# Altium PCB MB1801.PcbDoc (part 1 of 4)
Units mm, origin at the board's own origin, x right, y up, seen from the top; angles counter-clockwise.
Board outline 70.1 x 57.1 mm, 4 copper layers (Top Layer, Signal Layer 1, Signal Layer 2, Bottom Layer), stack 1.614 mm thick; 219 components, 166 nets, 1002 pads, 473 vias.
Unrouted connection lines stored in the file: 2.
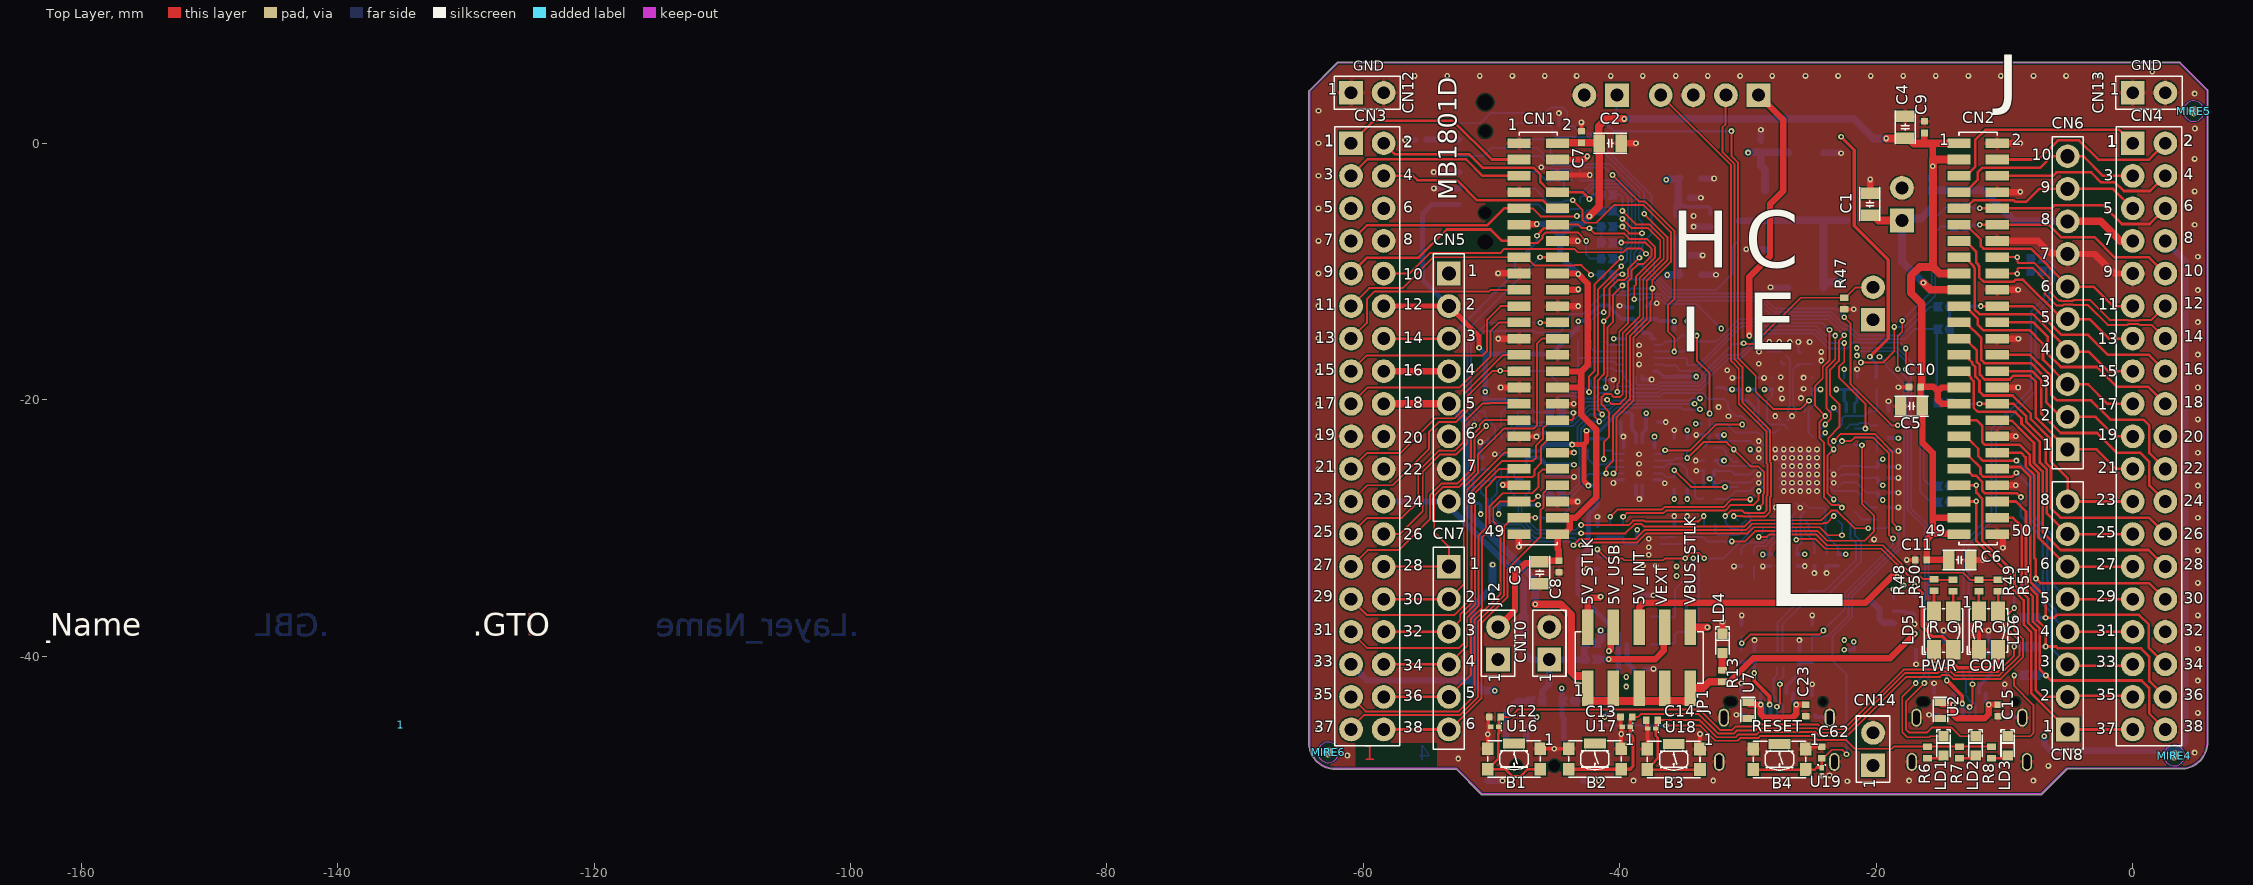
[diagram p0: Top Layer view]
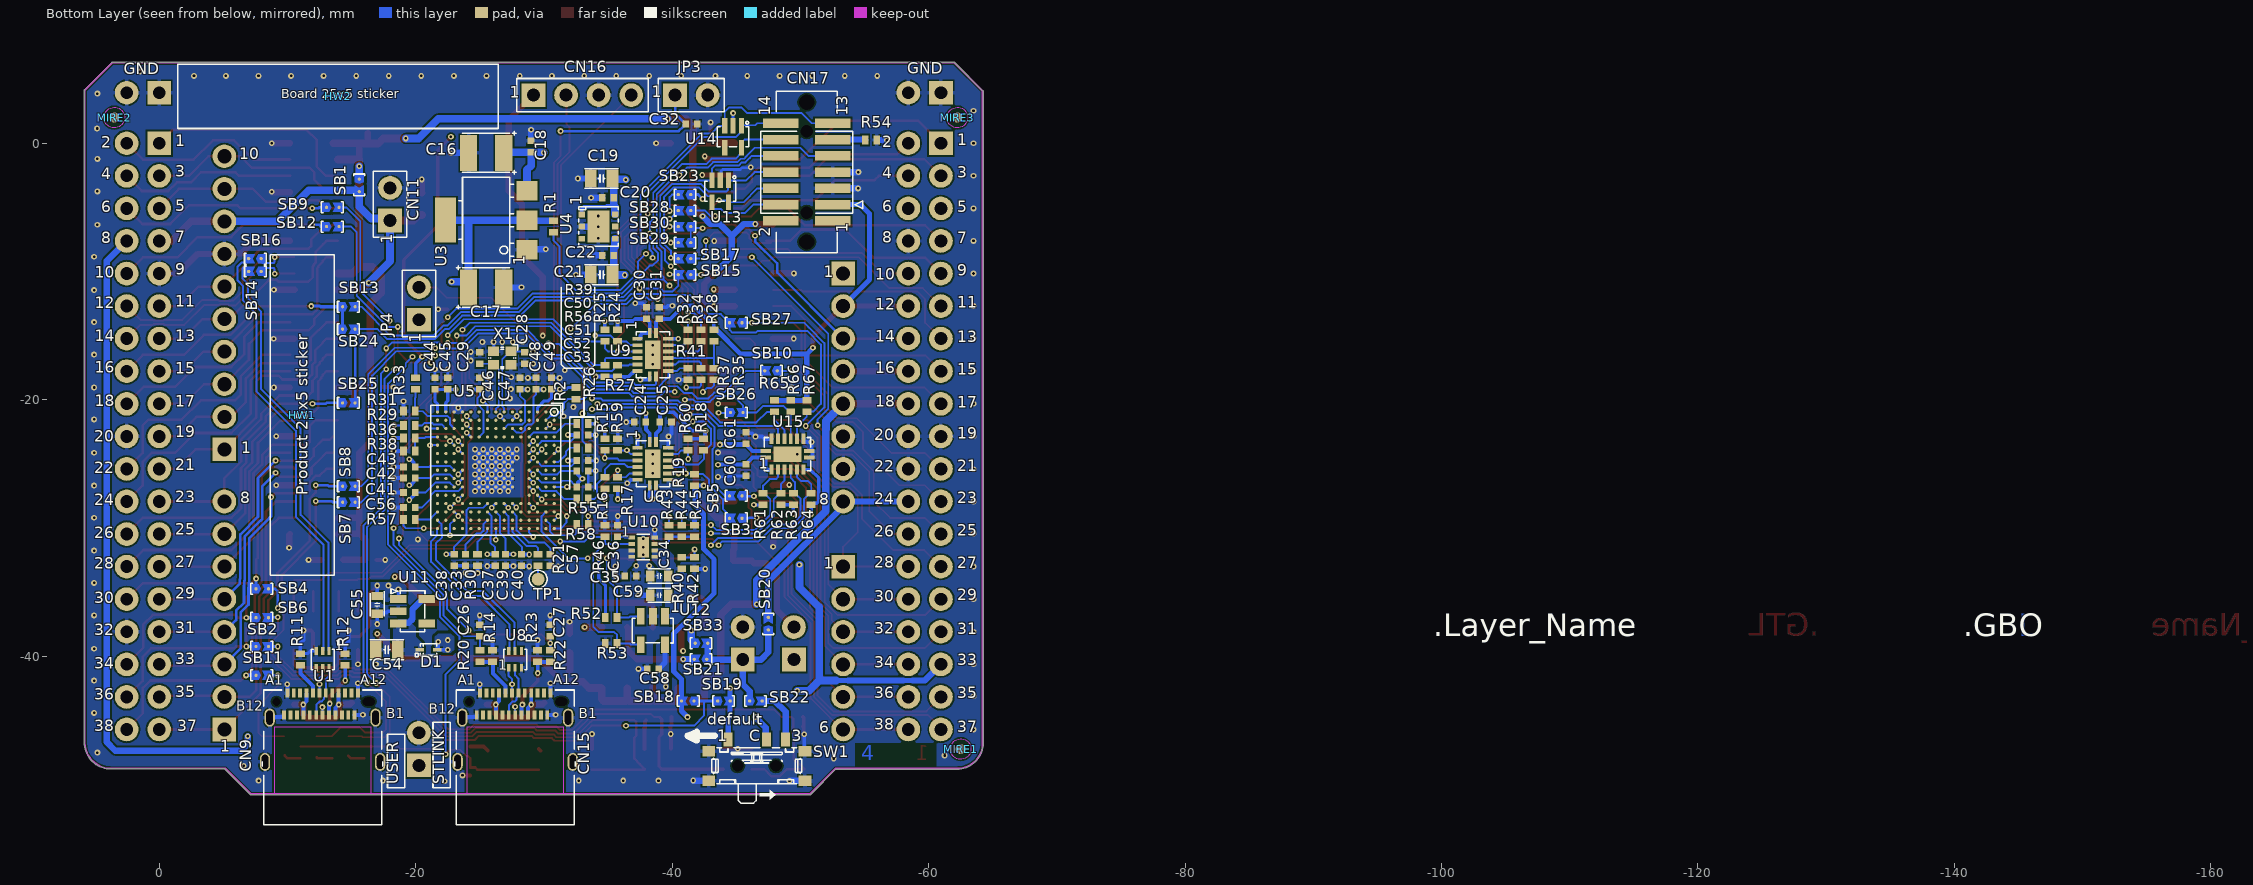
[diagram p1: Bottom Layer view, seen from below]
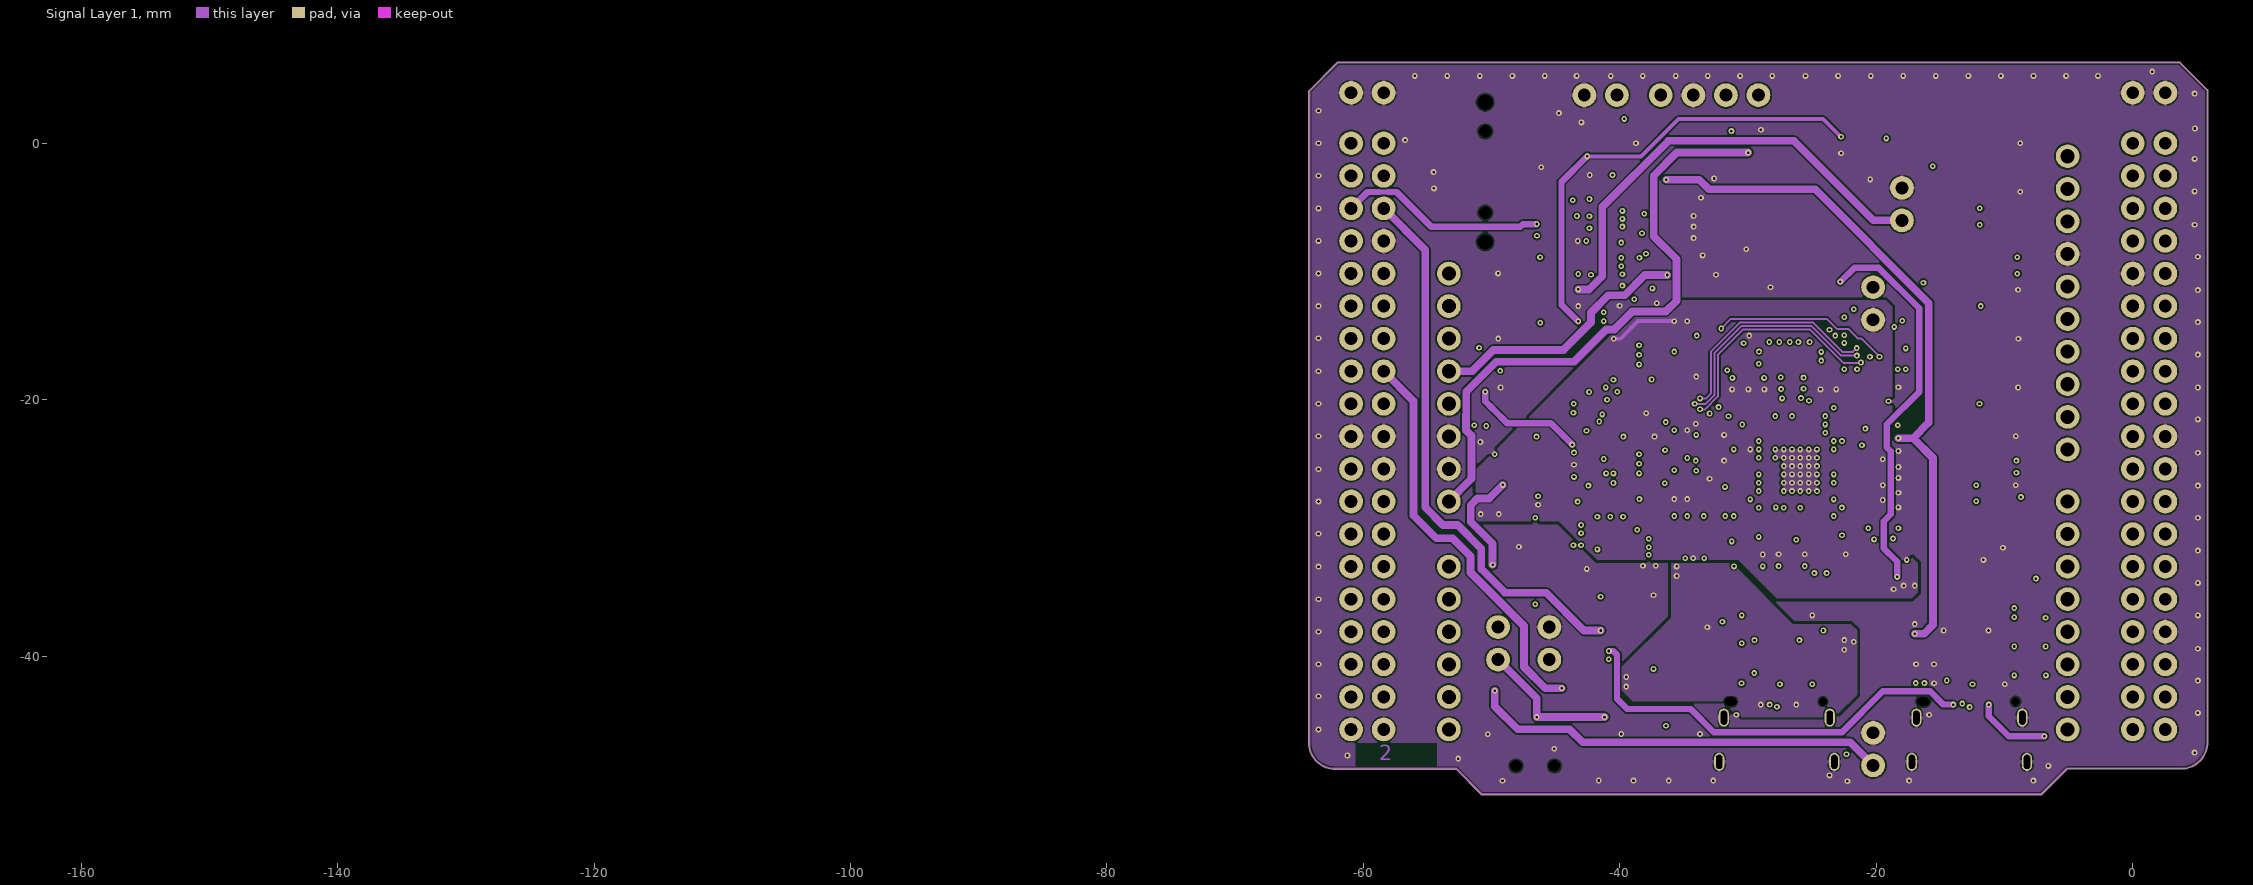
[diagram p2: Signal Layer 1]
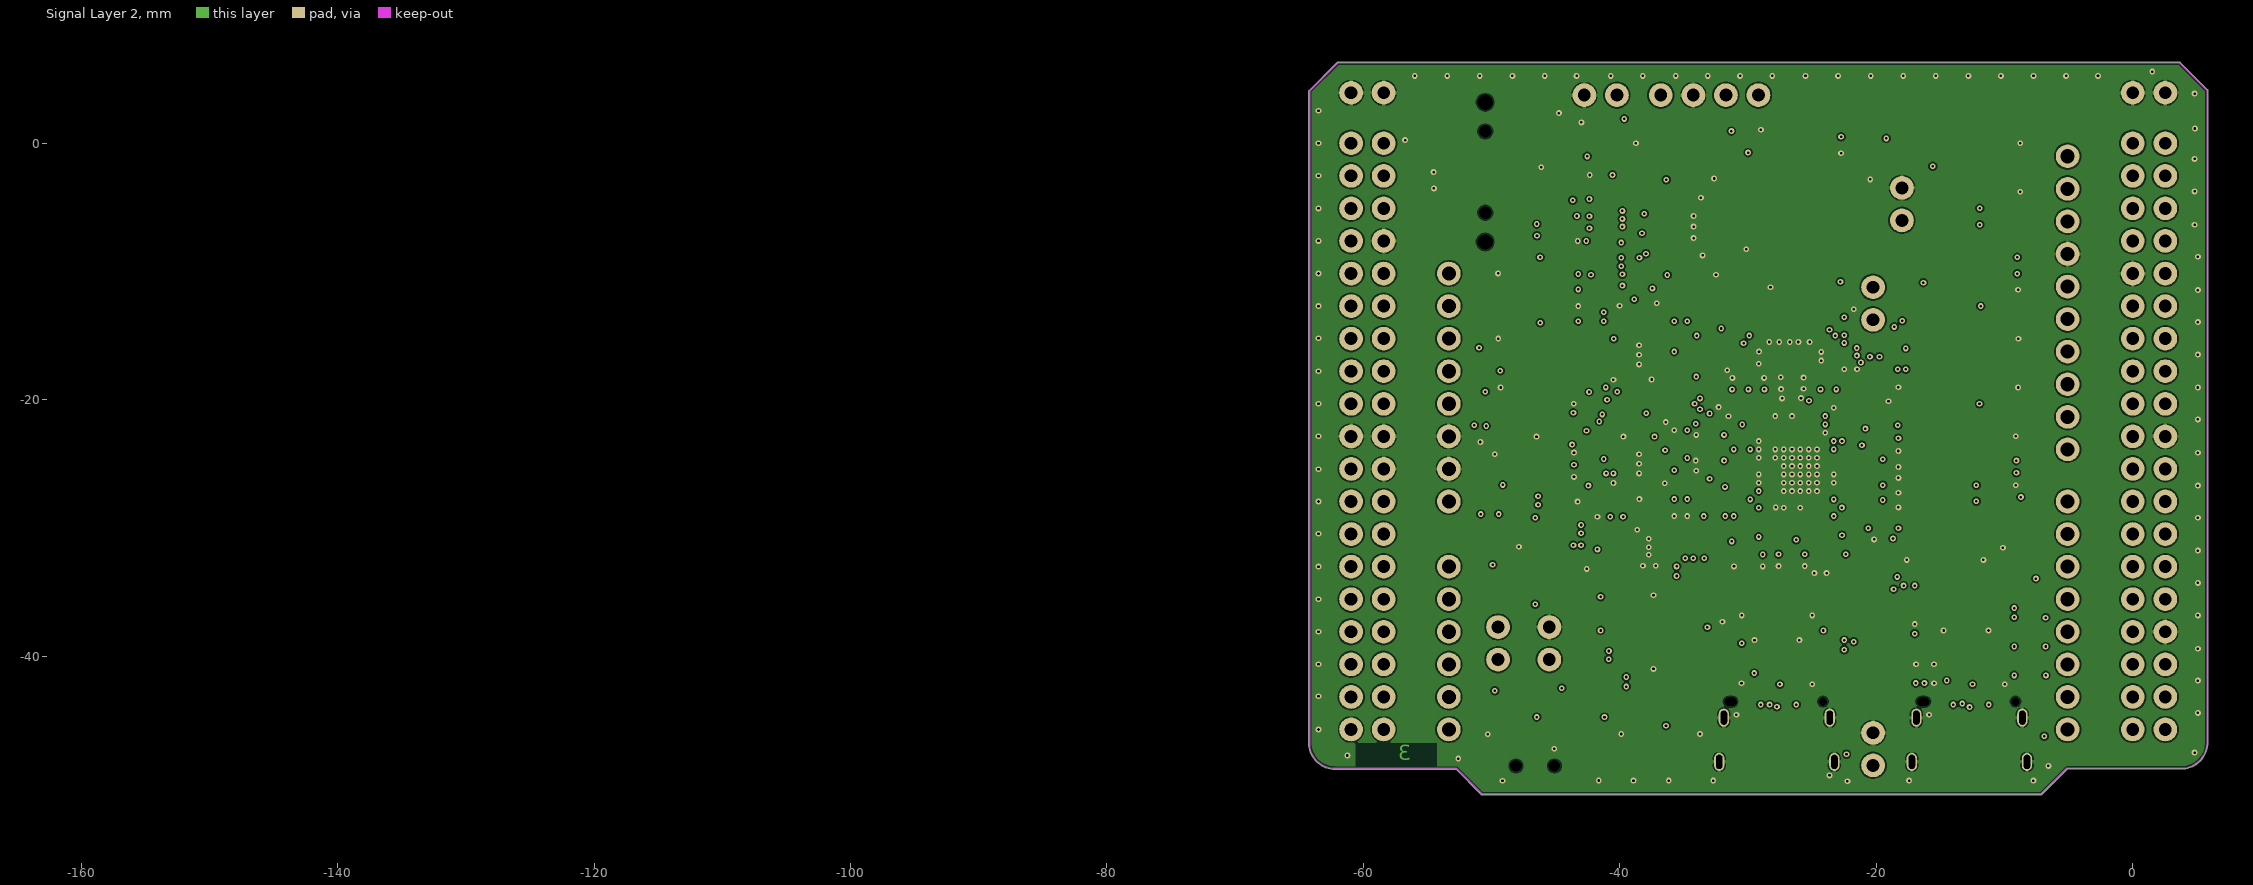
[diagram p3: Signal Layer 2]
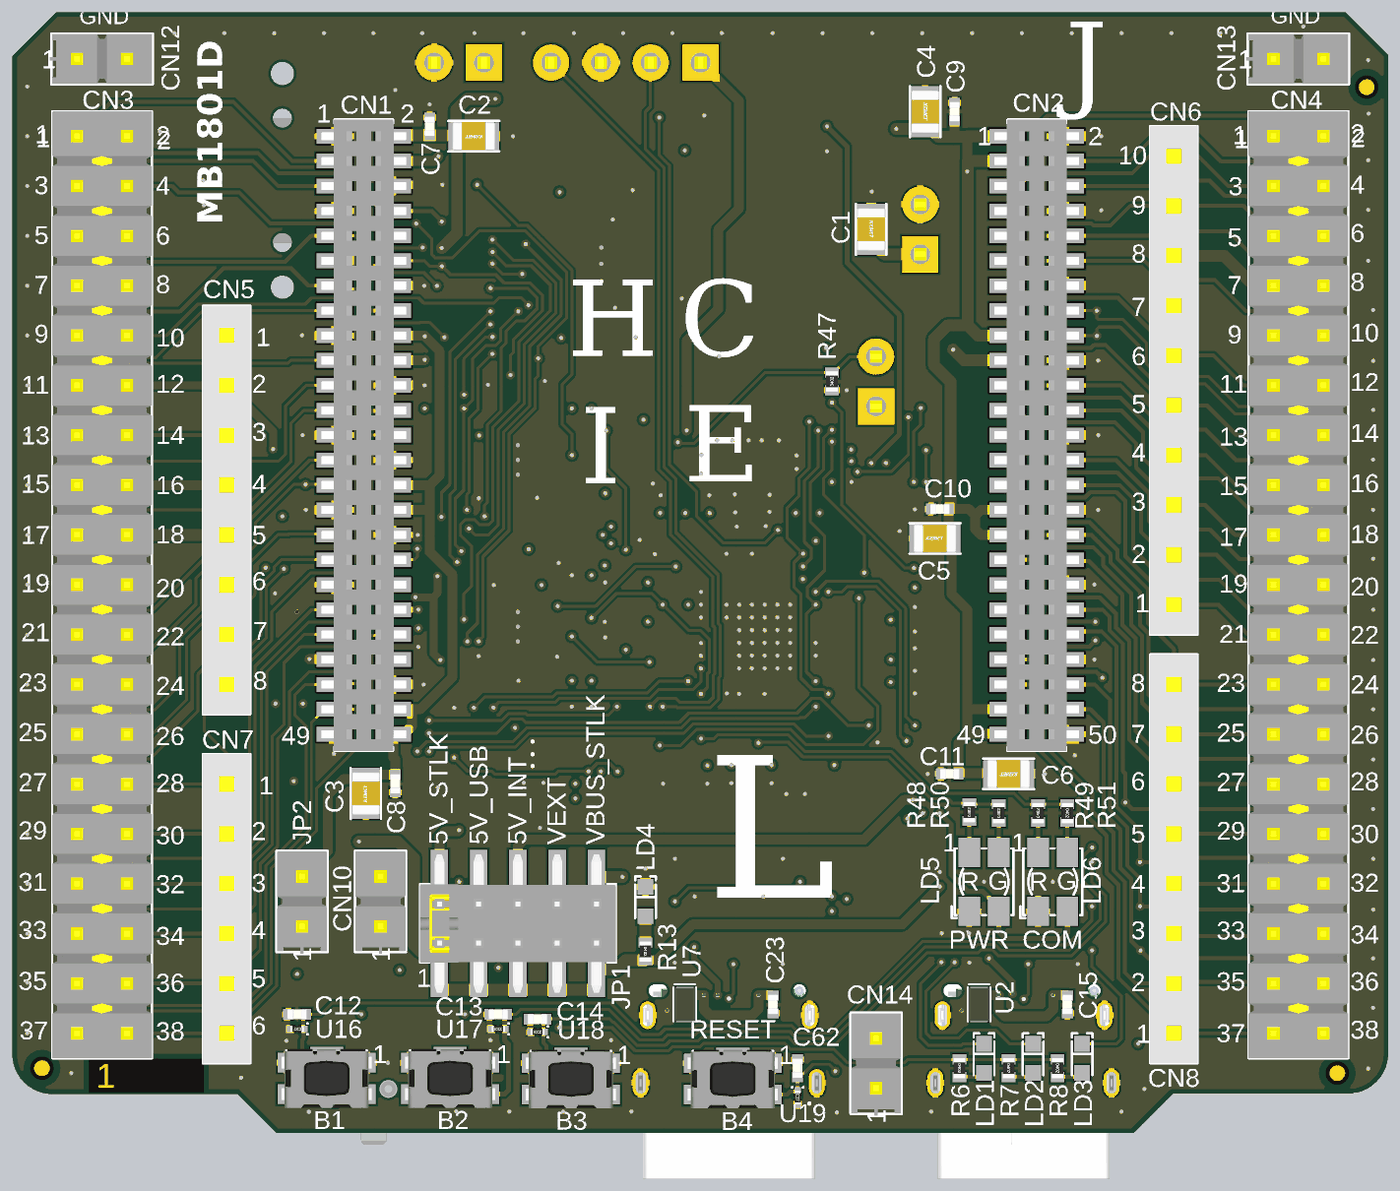
[diagram p7: 3D render of the assembled board from above, using the file's embedded part models]
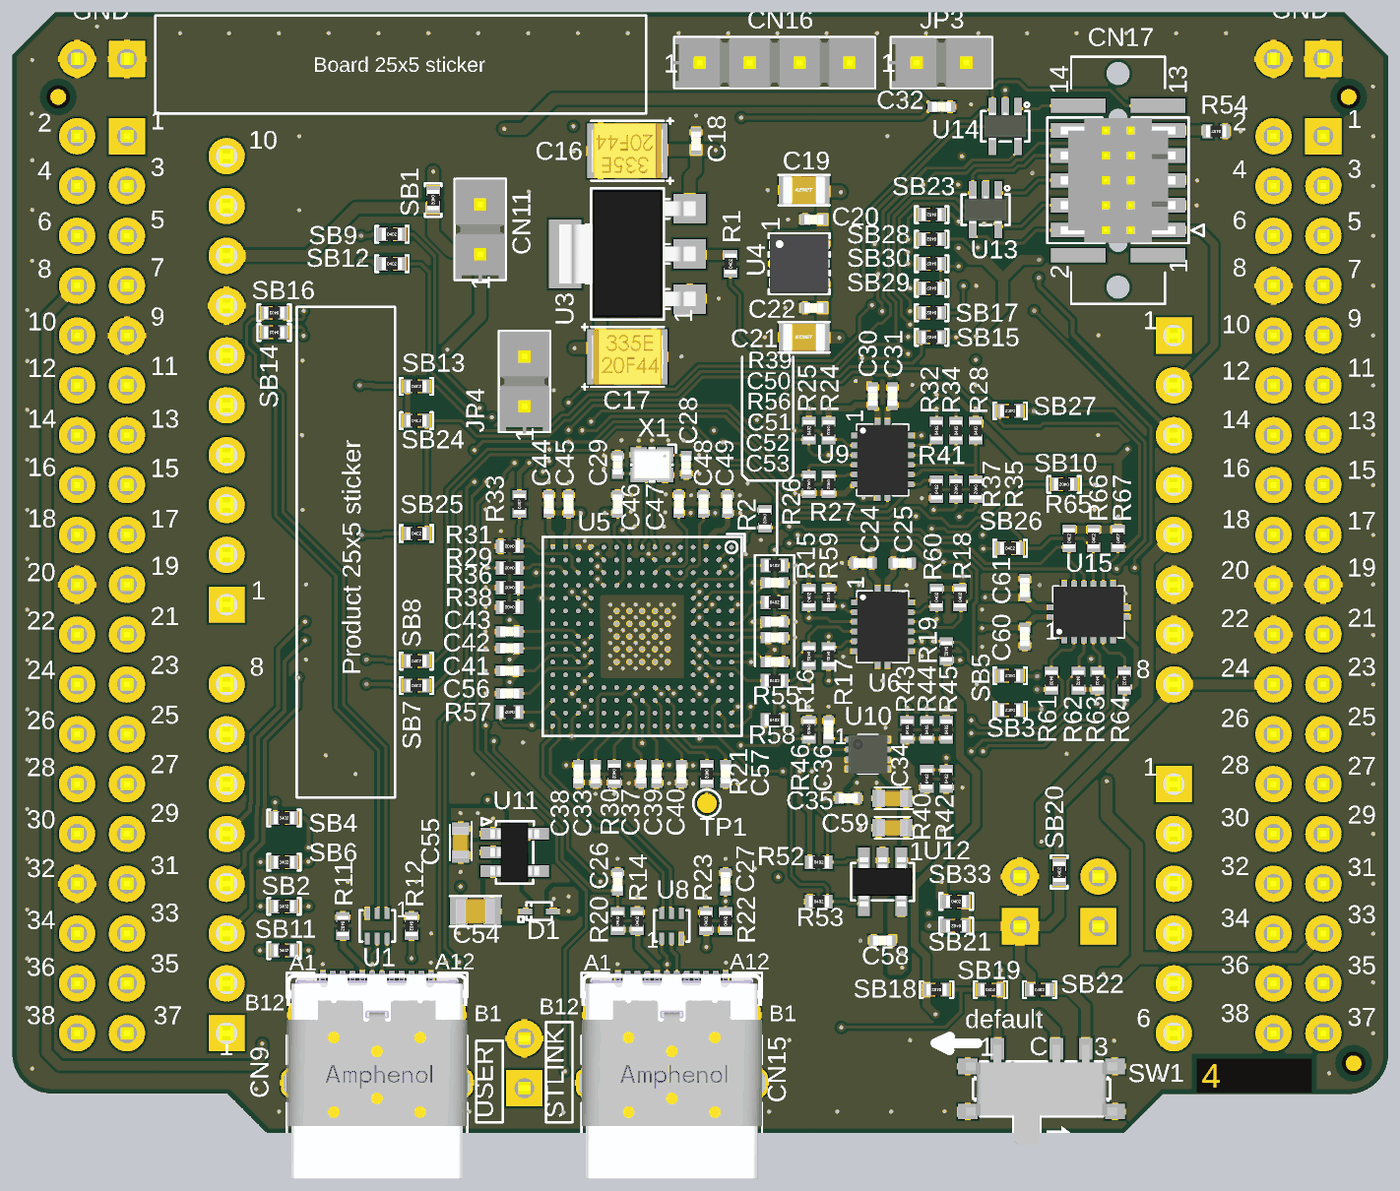
[diagram p8: 3D render of the assembled board from below, using the file's embedded part models]

## Layer stack, top to bottom
Top Solder: solder mask 0.015, Solder Resist, Dk 3.5
Top Layer: signal copper 0.042
Dielectric 1: prepreg 0.106, PP-IT-180A, Dk 4.2
Signal Layer 1: signal copper 0.035
Dielectric 2: dielectric 1.248, FR-4, Dk 4.2
Signal Layer 2: signal copper 0.035
Dielectric 3: prepreg 0.106, PP-IT-180A, Dk 4.2
Bottom Layer: signal copper 0.042
Bottom Solder: solder mask 0.015, Solder Resist, Dk 3.5

## Board outline
-62.21,-48.818 ccw(c-62.21,-48.768) -62.183,-48.81 -52.79,-48.81 -50.822,-50.778 ccw(c-50.786,-50.743) -50.786,-50.793 -7.131,-50.793 ccw(c-7.131,-50.743) -7.095,-50.778 -5.11,-48.793 3.79,-48.793 ccw(c3.79,-46.743) 5.84,-46.743 ccw(c5.79,-46.743) 5.84,-46.742 5.84,2.211 5.84,4.125 ccw(c5.79,4.125) 5.825,4.161 5.826,4.16 3.693,6.293 3.694,6.292 ccw(c3.658,6.257) 3.658,6.307 -62.001,6.307 ccw(c-62.001,6.257) -62.037,6.292 -62.037,6.293 -64.246,4.084 -64.245,4.084 ccw(c-64.21,4.048) -64.26,4.048 -64.26,-46.768 ccw(c-64.21,-46.768) -64.26,-46.769 cw(c-62.21,-46.768) -64.26,-46.768 -64.26,-46.769 ccw(c-62.21,-46.768)

## Design rules (kind name [scope] priority, off if disabled: settings)
Clearance [All] p1: gap=0.125 ignorepadtopadclearanceinfootprint=FALSE except(0.109: SMDPad-Via; 0.12: Arc-SMDPad Track-SMDPad; 0.223: Fill-Fill Fill-Poly Fill-Region Poly-Poly Poly-Region Region-Region)
ComponentClearance [All] p1: gap=0.2 collisioncheckmode=3 verticalgap=0.2 showdistances=FALSE
DiffPairsRouting [All] p1: maxlimit=0.226 minlimit=0.125 mostfreqgap=0.226 toplayer_minwidth=0.155 toplayer_maxwidth=0.155 toplayer_prefwidth=0.155 midlayer1_mingap=0.127 midlayer1_maxgap=0.127 midlayer1_prefgap=0.127 midlayer1_minwidth=0.083 midlayer1_maxwidth=0.083 midlayer1_prefwidth=0.083 midlayer2_mingap=0.127 midlayer2_maxgap=0.127 midlayer2_prefgap=0.127 midlayer2_minwidth=0.083 midlayer2_maxwidth=0.083 midlayer2_prefwidth=0.083 bottomlayer_mingap=0.15 bottomlayer_minwidth=0.155 bottomlayer_maxwidth=0.155 bottomlayer_prefwidth=0.155 impedanceprofiledriven=TRUE impedanceprofileid={D0817542-EEAA-4EE1-A293-D078BA0B5E8B} impedanceprofilevalue=90.000000 maxuncoupledlength=1.5
HoleSize [All] p1: absolutevalues=TRUE maxlimit=10 minlimit=0.025 maxpercent=80.000 minpercent=20.000
MatchedLengths "Schematic Matched Net Lengths_3" [InNet('USB_C_P')] p1: tolerance=2 checknetsindiffpair=TRUE checkdiffpairvsdiffpair=FALSE checkxsignals=FALSE checkothers=FALSE
MatchedLengths "Schematic Matched Net Lengths_2" [InNet('USB_C_N')] p2: tolerance=2 checknetsindiffpair=TRUE checkdiffpairvsdiffpair=FALSE checkxsignals=FALSE checkothers=FALSE
MatchedLengths "Schematic Matched Net Lengths_1" [InNet('USB_N')] p3: tolerance=2 checknetsindiffpair=TRUE checkdiffpairvsdiffpair=FALSE checkxsignals=FALSE checkothers=FALSE
MatchedLengths "Schematic Matched Net Lengths" [InNet('USB_P')] p4: tolerance=2 checknetsindiffpair=TRUE checkdiffpairvsdiffpair=FALSE checkxsignals=FALSE checkothers=FALSE
MaxMinImpedance "Schematic Impedance Constraint_4" [InNet('USB_FS_P')] p1: minimum=85.00 maximum=95.00
MaxMinImpedance "Schematic Impedance Constraint_3" [InNet('USB_FS_N')] p2: minimum=85.00 maximum=95.00
MaxMinImpedance "Schematic Impedance Constraint_2" [InNet('STLK_USB_P')] p3: minimum=85.00 maximum=95.00
MaxMinImpedance "Schematic Impedance Constraint_1" [InNet('STLK_USB_N')] p4: minimum=85.00 maximum=95.00
MaxMinImpedance "Schematic Impedance Constraint_8" [InNet('USB_C_N')] p5: minimum=85.00 maximum=95.00
MaxMinImpedance "Schematic Impedance Constraint_7" [InNet('USB_N')] p6: minimum=85.00 maximum=95.00
MaxMinImpedance "Schematic Impedance Constraint_6" [InNet('USB_C_P')] p7: minimum=85.00 maximum=95.00
MaxMinImpedance "Schematic Impedance Constraint" [InNet('USB_P')] p8: minimum=85.00 maximum=95.00
MinimumSolderMaskSliver [All] p1: minsoldermaskwidth=0.1
PlaneConnect [All] p1: planeconnectstyle=Direct reliefexpansion=0.508 reliefentries=4 reliefconductorwidth=0.21 reliefairgap=0.21
PolygonConnect PolygonConnect_via [IsVia] p1: connectstyle=Direct reliefconductorwidth=0.254 reliefentries=4 polygonreliefangle="90 Angle" airgapwidth=0.254
PolygonConnect [All] p2: connectstyle=Relief reliefconductorwidth=0.3 reliefentries=4 polygonreliefangle="90 Angle" airgapwidth=0.1
RoutingVias [All] p1: holewidth=0.2 width=0.45 viastyle="Through Hole" minholewidth=0.2 minwidth=0.45 maxholewidth=0.2 maxwidth=0.45
SilkToSilkClearance [All] p1: silktosilkclearance=0.2
SilkToSolderMaskClearance [IsPad] p1: minsilkscreentomaskgap=0.2 clearancetoexposedcopper=TRUE
SolderMaskExpansion [All] p1: expansion=0.102 istentingtop=FALSE
Width [All] p1: maxlimit=0.8 minlimit=0.15 preferedwidth=0.15 minimp=50.000000 maximp=50.000000 favimp=50.000000
23 further rules are at their usual default settings.
